# Altium PCB PCBV1.PcbDoc (part 3 of 3)
Units mil, origin at the board's own origin, x right, y up, seen from the top; angles counter-clockwise.
Board outline 2559.06 x 3267.72 mil, 4 copper layers (SIGNAL1, GND, PWR, SIGNAL2), stack 62.449 mil thick; 118 components, 101 nets, 494 pads, 222 vias.
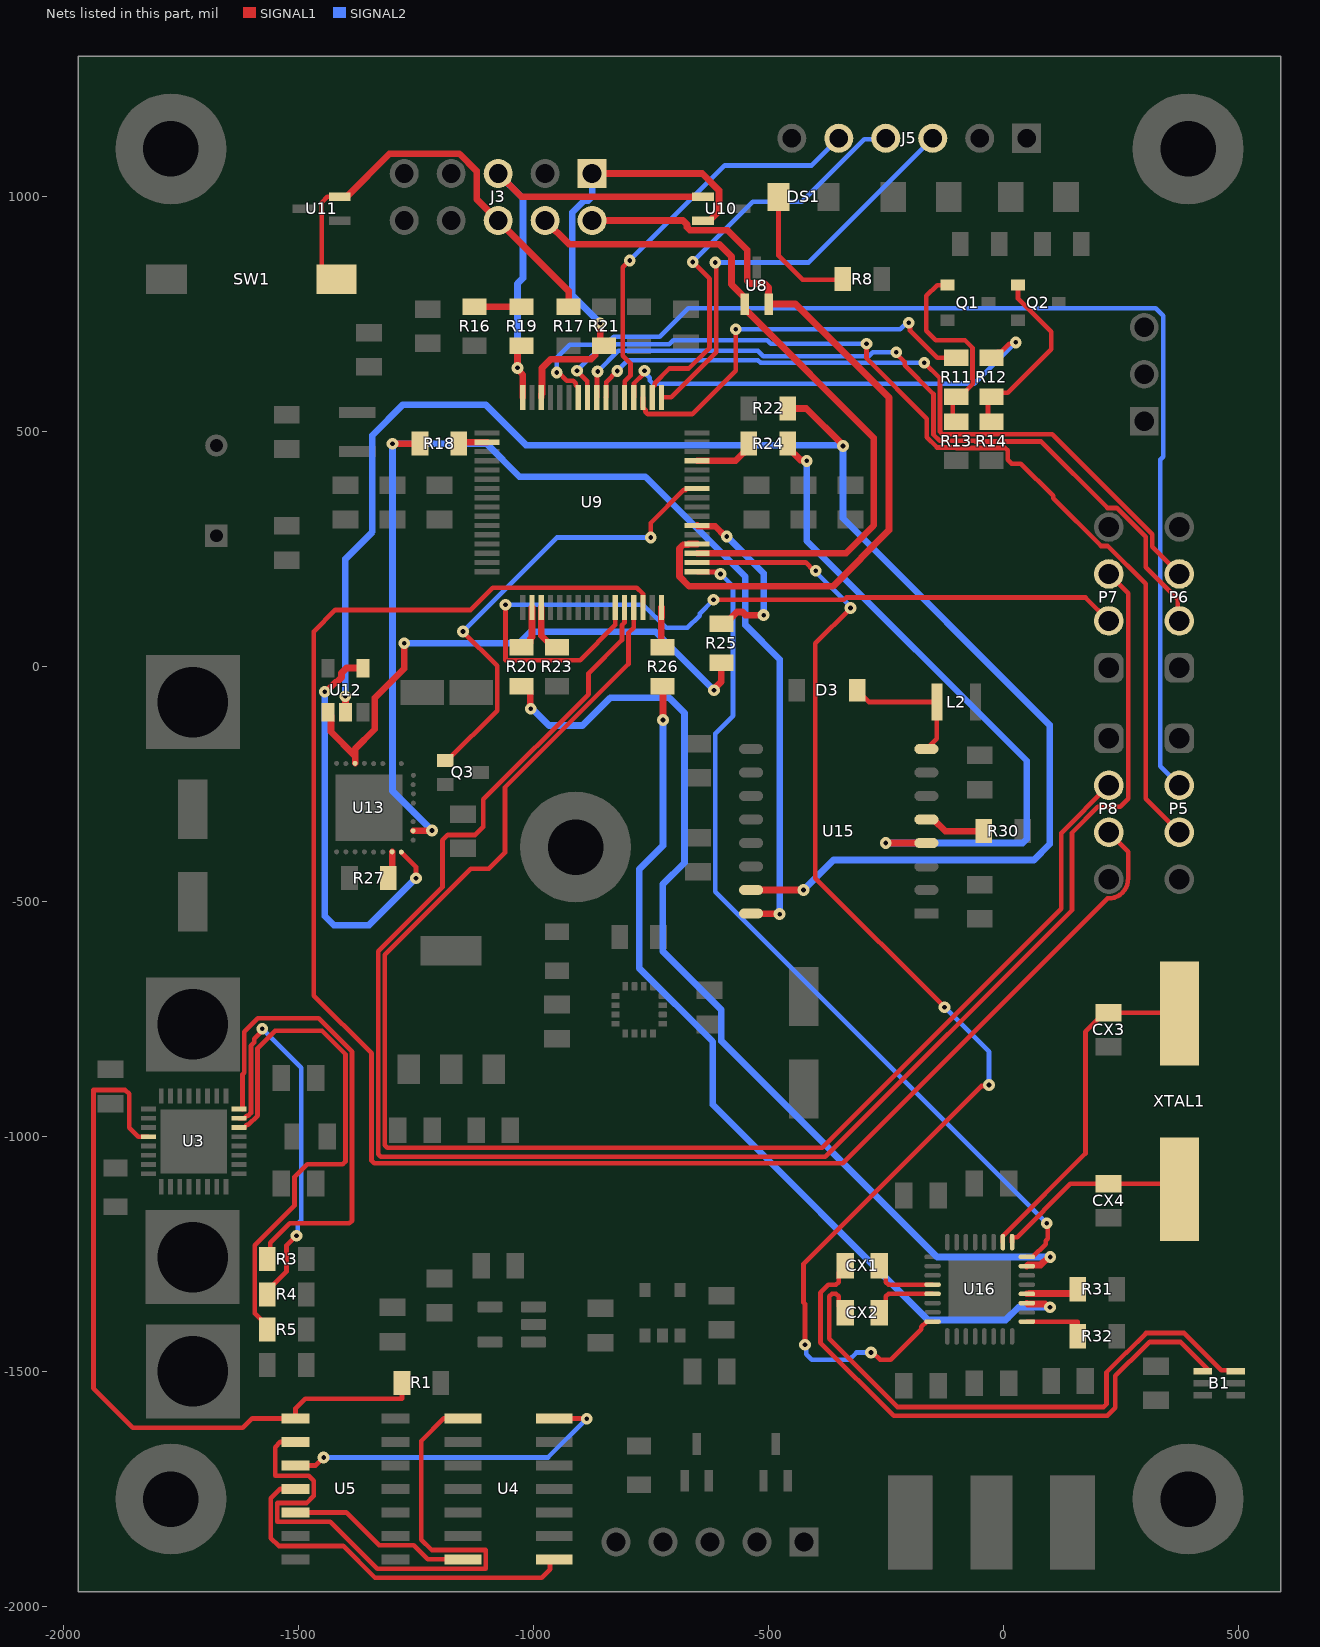
[diagram p5: the nets of this part, all layers, seen from the top]

## Via types
v1: diameter 25, hole 10, SIGNAL1 to SIGNAL2, 203 vias
v2: diameter 19.68, hole 7.87, SIGNAL1 to SIGNAL2, 9 vias
v3: diameter 35, hole 20, SIGNAL1 to SIGNAL2, 8 vias
v4: diameter 35, hole 10, SIGNAL1 to SIGNAL2, 2 vias

## Nets (pads, with @x,y where several pads share a name; then routed paths per layer and width w, separated by ;. In a path a pad name is that pad's centre, name@x,y a point inside that pad or via, vN(x,y) a via of type N, cw(c..) or ccw(c..) an arc to the next point about the centre after c; other vN are vias at no path point) (continued)
NetD3_2: D3.2 L2.2 U15.8 | length 288.8
  SIGNAL1 w10: D3.2@-310.63,-50 -285.63,-75 L2.2@-141.34,-75 -141.34,-152.97 U15.8@-163.37,-175
NetDS1_1: DS1.1 R8.1 | length 283.9
  SIGNAL1 w10: DS1.1@-478.15,1000 -478.15,875.02 -427.15,824.02 -341.34,824.02 R8.1@-341.34,825
NetP5_2: P5.2 U9.58 | length 2473.7
  SIGNAL1 w10: v1(-950.37,626.57) -946.62,626.57 -929.05,609 -914.98,609 -909.71,603.73 -909.71,599.68 -904.53,594.5 U9.58@-904.53,573.5
  SIGNAL2 w10: v1(-950.37,626.57) -950.37,658.3 -922.91,685.75 -845.75,685.75 -828.99,702.5 -731.14,702.5 -670.61,763.02 324.39,763.02 340.39,747.02 340.39,447.02 334.39,441.02 334.39,-211.78 P5.2@375,-252.4
NetP5_3: P5.3 U9.57 | length 2132.6
  SIGNAL1 w10: v1(-907.34,630.16) -885.34,608.17 -885.34,574 U9.57@-884.84,573.5 ; v1(-291.01,687.68) -291.01,656.66 -162.59,528.25 -162.59,488.65 -140.92,466.98 -101.32,466.98 -100.08,465.73 4.32,465.73 9.59,460.46 9.59,440.66 17.79,432.46 37.59,432.46 106.27,363.78 106.27,359.06 208.23,257.11 222.77,257.11 303.32,176.55 303.32,-280.72 P5.3@375,-352.4
  SIGNAL2 w10: v1(-907.34,630.16) -865.75,671.75 -839.95,671.75 -825.2,686.5 -711.02,686.5 -702.52,695 -502.45,695 -495.13,687.68 v1(-291.01,687.68)
NetP6_2: P6.2 U9.56 | length 1676.7
  SIGNAL1 w10: U9.56@-865.16,573.5 -864.66,574 -864.66,627.24 v1(-863.35,628.55) ; v1(-227.62,669.64) -227.62,666.74 -209.62,648.74 -209.62,641.67 -148.59,580.64 -148.59,534.05 -148.59,494.45 -135.12,480.98 -60.12,480.98 -58.88,479.73 80.34,479.73 221.97,338.1 241.77,338.1 303.32,276.55 303.32,212.01 371.23,144.1 371.23,101.37 P6.2@375,97.6
  SIGNAL2 w10: v1(-863.35,628.55) -819.4,672.5 -522.12,672.5 -510.76,661.14 -285.72,661.14 -277.22,669.64 v1(-227.62,669.64)
NetP6_3: P6.3 U9.55 | length 1543.4
  SIGNAL1 w10: U9.55@-845.47,573.5 -844.97,574 -844.97,606.08 v1(-821.34,629.71) ; v1(-167.92,647.14) -134.59,613.81 -134.59,539.84 -134.59,500.25 -129.32,494.98 -54.32,494.98 104.7,494.98 317.32,282.35 317.32,255.28 P6.3@375,197.6
  SIGNAL2 w10: v1(-821.34,629.71) -821.34,630.48 -799.12,652.7 -522.13,652.7 -516.56,647.14 v1(-167.92,647.14)
NetP7_2: P7.2 U9.27 | length 1775.3
  SIGNAL1 w10: v1(-1059.61,132.02) -1059.61,14.02 -900.79,14.02 -825.79,89.02 U9.27@-825.79,126.5 ; v1(-616.7,142.44) -339.38,142.44 -334.32,147.5 175.1,147.5 P7.2@225,97.6
  SIGNAL2 w10: v1(-1059.61,132.02) -766.73,132.02 -717.48,82.77 -672.23,82.77 -645.9,109.1 -645.9,113.24 v1(-616.7,142.44)
NetP7_3: P7.3 U9.28 | length 3922.9
  SIGNAL1 w10: U9.28@-806.1,126.5 -806.1,94.02 -811.61,88.51 -811.61,57.02 -882.61,-13.98 -882.61,-57.98 -1106.61,-281.98 -1106.61,-340.98 -1123.61,-357.98 -1182.61,-357.98 -1193.61,-368.98 -1193.61,-468.98 -1330.61,-605.98 -1330.61,-1037.12 -1324.76,-1042.98 -378.6,-1042.98 146.39,-517.99 146.39,-352.98 201.39,-297.98 249.39,-297.98 266.39,-280.98 266.39,156.22 P7.3@225,197.6
NetP8_2: P8.2 U9.29 | length 3345.2
  SIGNAL1 w10: U9.29@-786.42,126.5 -786.42,83.22 -797.61,72.02 -797.61,6.02 -1060.61,-256.98 -1060.61,-395.98 -1094.61,-429.98 -1133.61,-429.98 -1316.61,-612.98 -1316.61,-1018.12 -1310.76,-1023.98 -385.26,-1023.98 123.39,-515.33 123.39,-354.01 P8.2@225,-252.4
NetP8_3: P8.3 U9.30 | length 3936.9
  SIGNAL1 w10: U9.30@-766.73,126.5 -766.73,155.02 -779.73,168.02 -1086.61,168.02 -1133.61,121.02 -1421.61,121.02 -1467.61,75.02 -1467.61,-699.98 -1344.61,-822.98 -1344.61,-1051.12 -1338.76,-1056.98 -341.98,-1056.98 222.12,-492.88 223.87,-492.88 ccw(c225,-452.4) 265.14,-457.75 266.39,-448.61 266.39,-445.27 266.39,-393.78 P8.3@225,-352.4
NetQ1_1: Q1.1 R11.2 R13.2 | length 424.8
  SIGNAL1 w10: Q1.1@-118.31,812.4 -140.61,812.4 -163.61,789.4 -163.61,715.02 -143.61,695.02 -81.31,695.02 -65.41,679.12 -65.41,601.72 -92.13,575 R11.2@-100,575 -107.38,567.62 -107.38,529.07 R13.2@-100,521.69
NetQ2_1: Q2.1 R12.2 R14.2 | length 395
  SIGNAL1 w10: R14.2@-25,521.69 -32.38,529.07 -32.38,567.62 -16.84,583.16 9.73,583.16 102.56,675.98 102.56,712.85 31.39,784.02 31.39,812.4 Q2.1@31.69,812.4
NetQ3_1: Q3.1 U9.42 | length 995.4
  SIGNAL1 w10: Q3.1@-1187.4,-199.41 -1183.47,-199.41 -1077.18,-93.13 -1077.18,2.18 v1(-1150,75) ; v1(-750,275) -750,306.07 -679.59,376.48 -675.55,376.48 -672.5,379.53 U9.42@-651.5,379.53
  SIGNAL2 w10: v1(-1150,75) -950,275 v1(-750,275)
NetR1_1: R1.1 U3.4 U5.1 | length 1598.8
  SIGNAL1 w10: U3.4@-1819.66,-1000.41 -1841.18,-1000.41 -1860.61,-980.98 -1860.61,-908.98 -1868.61,-900.98 -1936.61,-900.98 -1936.61,-1535.98 -1852.61,-1619.98 -1618.59,-1619.98 -1598.61,-1600 U5.1@-1506.5,-1600 -1506.5,-1578.86 -1485.61,-1557.98 -1279.66,-1557.98 R1.1@-1279.66,-1524.33
NetR3_1: R3.1 U3.24 | length 1027.7
  SIGNAL1 w10: U3.24@-1619.35,-941.34 -1619.35,-868.06 -1615.28,-863.99 -1615.28,-776.64 -1586.68,-748.04 -1457.16,-748.04 -1386,-819.2 -1386,-1178.89 -1391.86,-1184.74 -1518.64,-1184.74 -1560.15,-1226.25 -1560.15,-1254.8 R3.1@-1566.34,-1260.98
NetR4_1: R4.1 U3.23 | length 848.8
  SIGNAL1 w10: U3.23@-1626.66,-961.03 -1615.66,-961.03 -1609.97,-955.34 -1606.93,-955.34 -1601.28,-949.69 -1601.28,-806.48 -1594.33,-799.54 -1594.33,-791.57 -1577.36,-774.6 v1(-1577.36,-770.54) ; R4.1@-1566.34,-1335.98 -1566.34,-1328.11 -1525.38,-1287.15 -1525.38,-1231.76 v1(-1504.48,-1210.86)
  SIGNAL2 w10: v1(-1577.36,-770.54) -1494.27,-853.63 -1494.27,-1178.36 -1501.61,-1185.69 -1501.61,-1207.99 v1(-1504.48,-1210.86)
NetR5_1: R5.1 U3.22 | length 1137.7
  SIGNAL1 w10: U3.22@-1626.66,-980.72 -1615.66,-980.72 -1609.97,-975.03 -1606.83,-975.03 -1587.28,-955.48 -1587.28,-812.28 -1550,-775 -1450,-775 -1400,-825 -1400,-1052.86 -1405.86,-1058.72 -1481.29,-1058.72 -1508.72,-1086.15 -1508.72,-1147.33 -1593.05,-1231.67 -1593.05,-1376.39 -1566.34,-1403.11 R5.1@-1566.34,-1410.98
NetR16_1: R16.1 R19.2 | length 100
  SIGNAL1 w14.28: R16.1@-1125,766.34 R19.2@-1025,766.34
NetR18_2: R18.2 U9.2 | length 61.4
  SIGNAL1 w14.28: R18.2@-1158.66,475 -1155.71,477.95 U9.2@-1098.5,477.95
NetR20_2: R20.2 U9.18 | length 98.9
  SIGNAL1 w14.28: R20.2@-1025,41.34 -1017.13,41.34 -1006.55,51.91 -1006.55,59.79 -1002.95,63.39 U9.18@-1002.95,126.5
NetR22_2: R22.2 U12.2 U15.15 | length 3538.1
  SIGNAL1 w14.28: v1(-1400.42,-62.53) -1400.21,-62.74 -1400.21,-97.03 U12.2@-1400,-97.24 ; U15.15@-536.63,-475 v1(-425,-475) ; R22.2@-458.66,550 -419.33,550 -341.18,471.85 v1(-341.18,469.76)
  SIGNAL2 w14.28: v1(-1400.42,-62.53) -1400.42,229.8 -1342.92,287.3 -1342.92,492.78 -1277.67,558.03 -1101.83,558.03 -1015.65,471.85 -341.18,471.85 -341.18,316.18 98.86,-123.86 98.86,-377.85 65.56,-411.15 -361.15,-411.15 v1(-425,-475)
NetR23_2: R23.2 U9.19 | length 103.6
  SIGNAL1 w14.28: U9.19@-983.27,126.5 -983.27,66.73 -957.87,41.34 R23.2@-950,41.34
NetR24_1: R24.1 U9.45 | length 129.9
  SIGNAL1 w14.28: U9.45@-651.5,438.58 -569.88,438.58 -541.34,467.13 R24.1@-541.34,475
NetR25_2: R25.2 U12.1 U13.6 | length 1201.5
  SIGNAL1 w14.28: U12.1@-1437.4,-97.24 -1430.76,-103.88 -1430.76,-138.35 -1379.53,-189.59 ; U13.6@-1379.53,-205.51 -1379.53,-189.59 ; v1(-1275,50) -1275,-3.94 -1337.68,-66.62 -1337.68,-132.95 -1379.53,-174.8 -1379.53,-189.59 ; v1(-615.44,-49.96) -615.44,-47.06 -600,-31.62 R25.2@-600,8.66
  SIGNAL2 w14.28: v1(-1275,50) -1030.77,50 -1006.13,74.64 -740.04,74.64 v1(-615.44,-49.96)
NetR26_2: R26.2 U9.32 | length 88
  SIGNAL1 w14.28: U9.32@-727.36,126.5 -727.36,104.77 -727.61,104.77 -727.61,41.34 R26.2@-725,41.34
NetR27_1: R27.1 U13.23 | length 59.4
  SIGNAL1 w14.28: R27.1@-1308.66,-450 -1300.79,-442.13 U13.23@-1300.79,-393.9
NetR30_1: R30.1 U15.5 | length 132.4
  SIGNAL1 w14.28: U15.5@-163.37,-325 -148.26,-325 -123.26,-350 R30.1@-41.34,-350
NetR31_2: R31.2 U16.20 | length 112.7
  SIGNAL1 w14.28: U16.20@50.39,-1334.84 55.39,-1334.84 55.39,-1334.19 60.97,-1334.19 149.48,-1334.19 R31.2@158.66,-1325
NetR32_2: R32.2 U16.17 | length 139.4
  SIGNAL1 w10: U16.17@50.39,-1393.9 158.66,-1393.9 R32.2@158.66,-1425
NetU4_1: U4.1 U5.2 | length 1340.2
  SIGNAL1 w10: U5.2@-1506.5,-1650 -1538.64,-1650 -1549.61,-1660.98 -1549.61,-1721.98 -1478.61,-1721.98 -1467.61,-1732.98 -1467.61,-1764.98 -1482.61,-1779.98 -1545,-1779.98 -1545,-1819.98 -1432.61,-1819.98 -1332.61,-1919.98 -1101.61,-1919.98 -1101.61,-1879.98 -1216.61,-1879.98 -1238.61,-1857.98 -1238.61,-1648 -1190.61,-1600 U4.1@-1150,-1600
NetU4_7: U4.7 U5.5 | length 397.9
  SIGNAL1 w10: U5.5@-1506.5,-1800 -1398.61,-1800 -1328.64,-1869.98 -1254.61,-1869.98 -1224.59,-1900 U4.7@-1150,-1900
NetU4_8: U4.8 U5.4 | length 811.8
  SIGNAL1 w10: U5.4@-1506.5,-1750 -1539.09,-1750 -1559,-1769.91 -1559,-1854.59 -1542.19,-1871.4 -1404.8,-1871.4 -1337.23,-1938.98 -982.61,-1938.98 -964.61,-1920.98 -964.61,-1900 U4.8@-956,-1900
NetU4_14: U4.14 U5.3 | length 731.1
  SIGNAL1 w10: U5.3@-1506.5,-1700 -1463.64,-1700 v1(-1446.61,-1682.98) ; U4.14@-956,-1600 -955.8,-1600.2 -886.59,-1600.2 v1(-886.39,-1600.4)
  SIGNAL2 w10: v1(-1446.61,-1682.98) -968.96,-1682.98 v1(-886.39,-1600.4)
NetU9_33: U9.33 U16.24 | length 1851.5
  SIGNAL1 w10: U9.33@-651.5,202.36 -651.01,201.87 -610,201.87 -605.66,197.53 v1(-601.6,197.53) ; U16.24@50.39,-1256.1 63.11,-1256.1 63.11,-1256.02 90.37,-1228.76 90.37,-1221.69 94.83,-1217.23 94.83,-1187.06 v1(92.5,-1184.73)
  SIGNAL2 w10: v1(-601.6,197.53) -575,170.93 -575,-103.91 -613.18,-142.08 -613.18,-479.06 v1(92.5,-1184.73)
NetU9_34: U9.34 U16.8 | length 2639.6
  SIGNAL1 w10: U9.34@-651.5,222.05 -420.41,222.05 -402.82,204.45 v1(-399.11,204.45) ; v1(-422.04,-1443.14) -422.04,-1356.41 -424.91,-1353.53 -424.91,-1270.86 -46.53,-892.48 -32.51,-892.48 v1(-30.07,-890.04) ; v1(-325,125) -400,50 -400,-449.83 v1(-124.91,-724.92) ; v1(-281.48,-1459.67) -277.43,-1459.67 -262.09,-1475 -239.09,-1475 -174.35,-1410.26 -174.35,-1405.22 -163.03,-1393.9 U16.8@-150.39,-1393.9
  SIGNAL2 w10: v1(-422.04,-1443.14) -419.17,-1446.01 -419.17,-1463.6 -407.86,-1474.92 -327.51,-1474.92 -312.26,-1459.67 v1(-281.48,-1459.67) ; v1(-399.11,204.45) -399.11,201.78 -325,127.67 v1(-325,125) ; v1@-125,-725 -124.83,-725 -30.07,-819.76 v1(-30.07,-890.04)
NetU12_4: U12.4 U13.24 | length 897.8
  SIGNAL1 w10: U13.24@-1281.1,-394.49 -1250,-425.59 v1(-1250,-450)
  SIGNAL1 w14.28: v1(-1444.28,-53.18) -1441.38,-53.18 -1421.78,-33.58 -1419.01,-33.58 -1408.4,-22.98 -1408.4,-13.36 -1397.8,-2.76 U12.4@-1362.6,-2.76
  SIGNAL2 w14.28: v1(-1444.28,-53.18) -1444.28,-530.72 -1425,-550 -1350,-550 v1(-1250,-450)
PIN_COM_IND: R12.1 U9.52 | length 980.3
  SIGNAL1 w10: U9.52@-786.42,573.5 -785.92,574 -785.92,603.67 -766.41,623.17 -766.41,627.33 v1(-763.54,630.2) ; R12.1@-29.61,657.68 R12.1@-25,657.68 -12.28,670.39 -4.41,670.39 12.85,687.65 23.89,687.65 v1(26.76,690.52)
  SIGNAL2 w10: v1(-763.54,630.2) -763.54,626.15 -752.53,615.13 -752.53,609.4 -745.46,602.33 -61.43,602.33 v1(26.76,690.52)
PIN_SUP_IND: R11.1 U9.51 | length 867
  SIGNAL1 w10: U9.51@-766.73,573.5 -766.73,552.5 -761.55,547.31 -761.55,543.27 -756.27,538 -662,538 -569.4,630.6 v1(-569.4,718.37) ; v1(-201.17,732.22) -198.3,729.35 -198.3,715.38 -140.59,657.68 R11.1@-100,657.68
  SIGNAL2 w10: v1(-569.4,718.37) -219.08,718.37 -205.23,732.22 v1(-201.17,732.22)
RESET_PIN: J3.6 R17.2 SW1.2 U11.2 | length 952.9
  SIGNAL1 w10: SW1.2@-1419.09,825 -1450.61,825 -1450.61,988.31 -1438.61,1000.31 U11.2@-1411.91,1000.31
  SIGNAL1 w14.28: U11.2@-1411.91,1000.31 -1397.91,1000.31 -1306.17,1092.05 -1157.58,1092.05 -1120.84,1055.3 -1120.84,995.84 J3.6@-1075,950 -925,800 R17.2@-925,766.34
RF2_N: B1.3 CX2.1 | length 1232.3
  SIGNAL1 w10: CX2.1@-336.42,-1375 -350.12,-1361.3 -350.12,-1340.31 -355.98,-1334.45 -364.26,-1334.45 -370.12,-1340.31 -370.12,-1430.6 -225.16,-1575.56 213.99,-1575.56 219.85,-1569.7 219.85,-1501.35 261.6,-1459.59 262.78,-1459.59 304.13,-1418.25 385.14,-1418.25 457.08,-1490.18 464.41,-1497.52 B1.3@508.54,-1497.52
RF2_P: B1.4 CX1.1 | length 1218.9
  SIGNAL1 w10: CX1.1@-336.42,-1275 -350.12,-1288.7 -350.12,-1309.69 -355.98,-1315.55 -372.09,-1315.55 -389.02,-1332.48 -389.02,-1438.43 -232.99,-1594.46 221.82,-1594.46 238.75,-1577.53 238.75,-1509.18 269.43,-1478.5 270.61,-1478.5 311.96,-1437.15 377.31,-1437.15 B1.4@439.57,-1499.41
RF_N: CX2.2 U16.5 | length 142.4
  SIGNAL1 w10: CX2.2@-263.58,-1375 -249.88,-1361.3 -249.88,-1340.31 -244.02,-1334.45 -163.42,-1334.45 -163.03,-1334.84 U16.5@-150.39,-1334.84
RF_P: CX1.2 U16.4 | length 142.4
  SIGNAL1 w10: CX1.2@-263.58,-1275 -249.88,-1288.7 -249.88,-1309.69 -244.02,-1315.55 -163.42,-1315.55 -163.03,-1315.16 U16.4@-150.39,-1315.16
SCLK_2: R18.1 U13.26 U15.16 | length 2635.6
  SIGNAL1 w14.28: v1(-1300,475) R18.1@-1241.34,475 ; U13.26@-1256.1,-349.21 -1216.58,-349.21 v1(-1215.92,-348.56) ; U15.16@-536.63,-525 -535.89,-525.74 -476.7,-525.74 v1(-475.96,-526.48)
  SIGNAL2 w14.28: v1(-1215.92,-348.56) -1300,-264.48 v1(-1300,475) -1100,475 -1029.48,404.48 -761.77,404.48 -548.83,191.54 -548.83,88.99 -475.96,16.12 v1(-475.96,-526.48)
SCLK_RF: R26.1 U16.19 | length 1948.2
  SIGNAL1 w14.28: R26.1@-725,-41.34 -724.21,-42.13 v1(-724.21,-113.08) ; U16.19@50.39,-1354.53 52.15,-1356.28 89.53,-1356.28 96.54,-1363.29 v1(99.44,-1363.29)
  SIGNAL2 w14.28: v1(-724.21,-113.08) -724.31,-113.18 -724.31,-380.8 -775,-431.48 -775,-641.22 -618.28,-797.94 -618.28,-931.74 -159.74,-1390.29 5.21,-1390.29 32.22,-1363.29 v1(99.44,-1363.29)
SEL2: R24.2 U15.4 | length 1449.3
  SIGNAL1 w14.28: R24.2@-458.66,475 -458.66,467.13 -431.84,440.3 -420.3,440.3 v1(-418.25,438.25) ; v1(-250,-375) U15.4@-163.37,-375
  SIGNAL2 w14.28: v1(-418.25,438.25) -418.35,438.16 -418.35,268.35 50,-200 50,-366.63 41.63,-375 v1(-250,-375)
SEL3: R25.1 U9.38 | length 375.9
  SIGNAL1 w14.28: U9.38@-651.5,300.79 -649.86,299.15 -612.93,299.15 -591.22,277.44 v1(-588.32,277.44) ; R25.1@-600,91.34 -592.13,91.34 -566.87,116.59 -555.04,116.59 -548.45,110 v1(-510,110)
  SIGNAL2 w14.28: v1(-588.32,277.44) -510,199.12 v1(-510,110)
SEL_RF: R20.1 U16.23 | length 2158.3
  SIGNAL1 w14.28: R20.1@-1025.61,-41.34 R20.1@-1025,-41.34 -1017.13,-41.34 -1006.55,-51.91 -1006.55,-88.2 v1(-1005.56,-89.19) ; U16.23@50.39,-1275.79 52.61,-1273.57 79.74,-1273.57 97.1,-1256.2 v1(100,-1256.2)
  SIGNAL2 w14.28: v1(-1005.56,-89.19) -1002.66,-89.19 -966.85,-125 -895.53,-125 -836.67,-66.14 -710.57,-66.14 -678.54,-98.16 -678.54,-417.12 -725,-463.58 -725,-605.31 -600,-730.31 -600,-796.77 -140.57,-1256.2 v1(100,-1256.2)
SWD_CLK: J3.1 R21.2 U9.62 U10.2 | length 998.1
  SIGNAL1 w14.28: U9.62@-983.27,573.5 -983.27,579.67 -981.63,581.31 -981.63,635.89 -962.72,654.8 -876.82,654.8 -868.45,663.17 -868.45,673.09 -857.87,683.66 -858.05,683.83 v1(-858.05,731.12) ; J3.1@-875,1050 -640.65,1050 -604.86,1014.21 -604.86,969.55 -625,949.41 U10.2@-639,949.41
  SIGNAL2 w14.28: J3.1@-875,1050 -875,1000.41 -883.37,992.05 -892.42,992.05 -917.05,967.42 -917.05,790.38 -861.42,734.75 -861.42,734.49 v1(-858.05,731.12)
SWD_DIO: J3.5 R19.1 U9.64 U10.1 | length 1015.5
  SIGNAL1 w14.28: J3.5@-1075,1050 -1025.59,1000.59 U10.1@-639,1000.59 ; R19.1@-1025,683.66 -1034.09,674.58 -1034.09,633.34 -1022.64,621.9 U9.64@-1022.64,573.5
  SIGNAL2 w14.28: J3.5@-1075,1050 -1022.4,997.4 -1022.4,827.28 -1034.09,815.59 v1(-1034.09,636.24)
UART_RX: J3.2 U8.2 U9.36 | length 1738.2
  SIGNAL1 w14.28: J3.2@-875,950 -681.51,950 -673.14,941.63 -673.14,935.8 -666.61,929.27 -586.78,929.27 -545.14,887.63 -545.14,866.33 -545.14,822.39 -538.61,815.86 -507.77,815.86 -499.41,807.49 U8.2@-499.41,772 -441.99,772 -243.07,573.08 -243.07,290.9 -362.67,171.3 -668.19,171.3 -689.14,192.25 -689.14,251.85 -681.21,259.78 -670.86,259.78 -669.22,261.42 U9.36@-651.5,261.42
UART_TX: J3.4 U8.1 U9.35 | length 1529
  SIGNAL1 w14.28: J3.4@-975,950 -924.64,899.64 -604.64,899.64 -578.54,873.54 -578.54,813.95 -550.59,786 -550.59,758 -548.73,756.14 -544.71,756.14 -275.53,486.96 -275.53,301.04 -334.83,241.73 U9.35@-651.5,241.73
XTAL1: CX3.2 U16.26 XTAL1.2 | length 738.4
  SIGNAL1 w10: U16.26@-0.79,-1224.61 -0.79,-1211.89 -0.71,-1211.89 4.98,-1206.2 4.98,-1206.04 175,-1036.02 175,-776.57 215.39,-736.18 CX3.2@224.25,-736.18 373.19,-736.18 XTAL1.2@375,-737.99
XTAL2: CX4.2 U16.25 XTAL1.1 | length 418.6
  SIGNAL1 w10: U16.25@18.9,-1224.61 18.9,-1214.14 18.98,-1214.07 29.44,-1214.07 143.19,-1100.32 CX4.2@224.25,-1100.32 363.31,-1100.32 XTAL1.1@375,-1112.01
ZAPAS_1: J5.5 U9.53 | length 862.2
  SIGNAL1 w10: U9.53@-806.1,573.5 -805.6,574 -805.6,607.81 -793.45,619.96 -793.45,646.07 -809.59,662.22 -809.59,850.41 v1(-795,865)
  SIGNAL2 w10: v1(-795,865) -592.87,1067.13 -407.87,1067.13 J5.5@-350,1125
ZAPAS_2: J5.4 U9.50 | length 885.2
  SIGNAL1 w10: U9.50@-747.05,586 -747.05,594.5 -741.86,599.68 -741.86,603.73 -710.65,634.94 -669.65,634.94 -625,679.59 -625,825.75 v1(-660.98,861.74)
  SIGNAL2 w10: v1(-660.98,861.74) -532.87,989.85 -428.72,989.85 -295.91,1122.66 -252.34,1122.66 J5.4@-250,1125
ZAPAS_3: J5.3 U9.49 | length 920.6
  SIGNAL1 w10: U9.49@-727.36,573.5 -706.86,573.5 -611,669.36 -611,858.49 v1(-612.98,860.47)
  SIGNAL2 w10: v1(-612.98,860.47) -414.53,860.47 J5.3@-150,1125
pads on no net: B1.6 J3.8 J3.9 J3.10 U1.1 U1.5 U3.1 U3.2 U3.3 U3.5 U3.6 U3.8 U3.17 U5.6 U5.8 U5.13 U9.3 U9.4 U9.5 U9.6 U9.13 U9.14 U9.15 U9.16 U9.17 U9.20 U9.21 U9.22 U9.23 U9.24 U9.25 U9.26 U9.37 U9.39 U9.43 U9.44 U9.54 U13.2 U13.7 U13.8 U13.9 U13.10 U13.11 U13.12 U13.13 U13.14 U13.15 U13.16 U13.17 U13.18 U13.19 U13.20 U13.21 U13.22 U13.25 U13.27 U13.28 U13.29 U13.30 U13.32 U14.3 U14.5 U14.6 U14.7 U14.14 U14.15 U16.11

## Polygon pours and split planes (outlines as drawn)
+3V3 on PWR "+3V3_L03_P009" (solid, remove dead copper, pour order 9): -950,-925 -950,-1200 -400,-1200 -400,-1950 575,-1950 575,1275 150,1275 150,1100 -1775,1100 -1775,50 -1500,50 -1500,-925
+3V3_REF on PWR "+3V3_REF_L03_P011" (solid, pour order 11): -950,-1225 -950,-1200 -400,-1200 -400,-1950 -1600,-1950 -1600,-1525 -1325,-1525 -1325,-1475 -1250,-1475 -1250,-1225
+12_PROT on PWR "+12_PROT_L03_P012" (solid, pour order 12): -1950,100 -1950,-1125 -950,-1125 -950,-925 -1500,-925 -1500,50 -1775,50 -1775,100
+12 on PWR "+12_L03_P013" (solid, pour order 13): -1600,-1950 -1600,-1525 -1325,-1525 -1325,-1475 -1250,-1475 -1250,-1225 -950,-1225 -950,-1125 -1950,-1125 -1950,-1950
+12_PROT on PWR "+12_PROT_L03_P010" (solid, remove dead copper, pour order 10): -1950,100 -1950,1275 150,1275 150,1100 -1775,1100 -1775,100
GND on GND "GND_L02_P003" (solid, remove dead copper, pour order 3): -1960,1295 -1960,-1965 584.99,-1965 586.21,1295

## Other copper
GND:
  pour cut-out: -1450,650 -1450,75 -1700,75 -1700,100 -1475,100 -1475,625 -1700,625 -1700,650
  pour cut-out: 175,-1650 250,-1650 250,-1950 225,-1950 225,-1675 175,-1675
  pour cut-out: -300,-1950 -275,-1950 -275,-1675 125,-1675 125,-1650 -300,-1650
  pour cut-out: 125,-925 150,-925 150,-1250 500,-1250 500,-925 525,-925 525,-1275 125,-1275
  pour cut-out: 125,-900 150,-900 150,-600 500,-600 500,-900 525,-900 525,-575 125,-575
  pour cut-out: -1825,650 -1825,75 -1725,75 -1725,100 -1800,100 -1800,625 -1725,625 -1725,650

## Silkscreen, mask and mechanical layers (free items; w line width, h text height)
Top Solder:
  lines w100: -1764.84,-1136.76 -1676.2,-1136.76 ; -1764.84,-1136.76 -1676.2,-1136.76 ; -1764.84,-1136.76 -1676.2,-1136.76 ; -1764.84,-1136.76 -1725.49,-1136.76 ; -1764.84,-1136.76 -1676.2,-1136.76 ; -1764.84,-1136.76 -1725.49,-1136.76 ; -1725.49,-1136.76 -1725.49,-1256.76 -1725.49,-1136.76
  lines w150: -1723.16,-909.76 -1723.16,-762.82

## Text inside footprints (layer, text, board x,y; h text height)
U3: Top Overlay "*" at -1877.9,-820.32 h50; Top 3D Body "*" at -1816.16,-956.5 h50
U4: Top Overlay "*" at -1219.16,-1598.46 h35; Top 3D Body "*" at -1129,-1631 h35
U5: Top Overlay "*" at -1554.57,-1569.37 h35; Top 3D Body "*" at -1474.5,-1632.5 h35
U9: Top Overlay "*" at -1125,550 h35; Top 3D Body "*" at -1069.5,482.48 h35